# KiCad board ergoducks.kicad_pcb (continued)
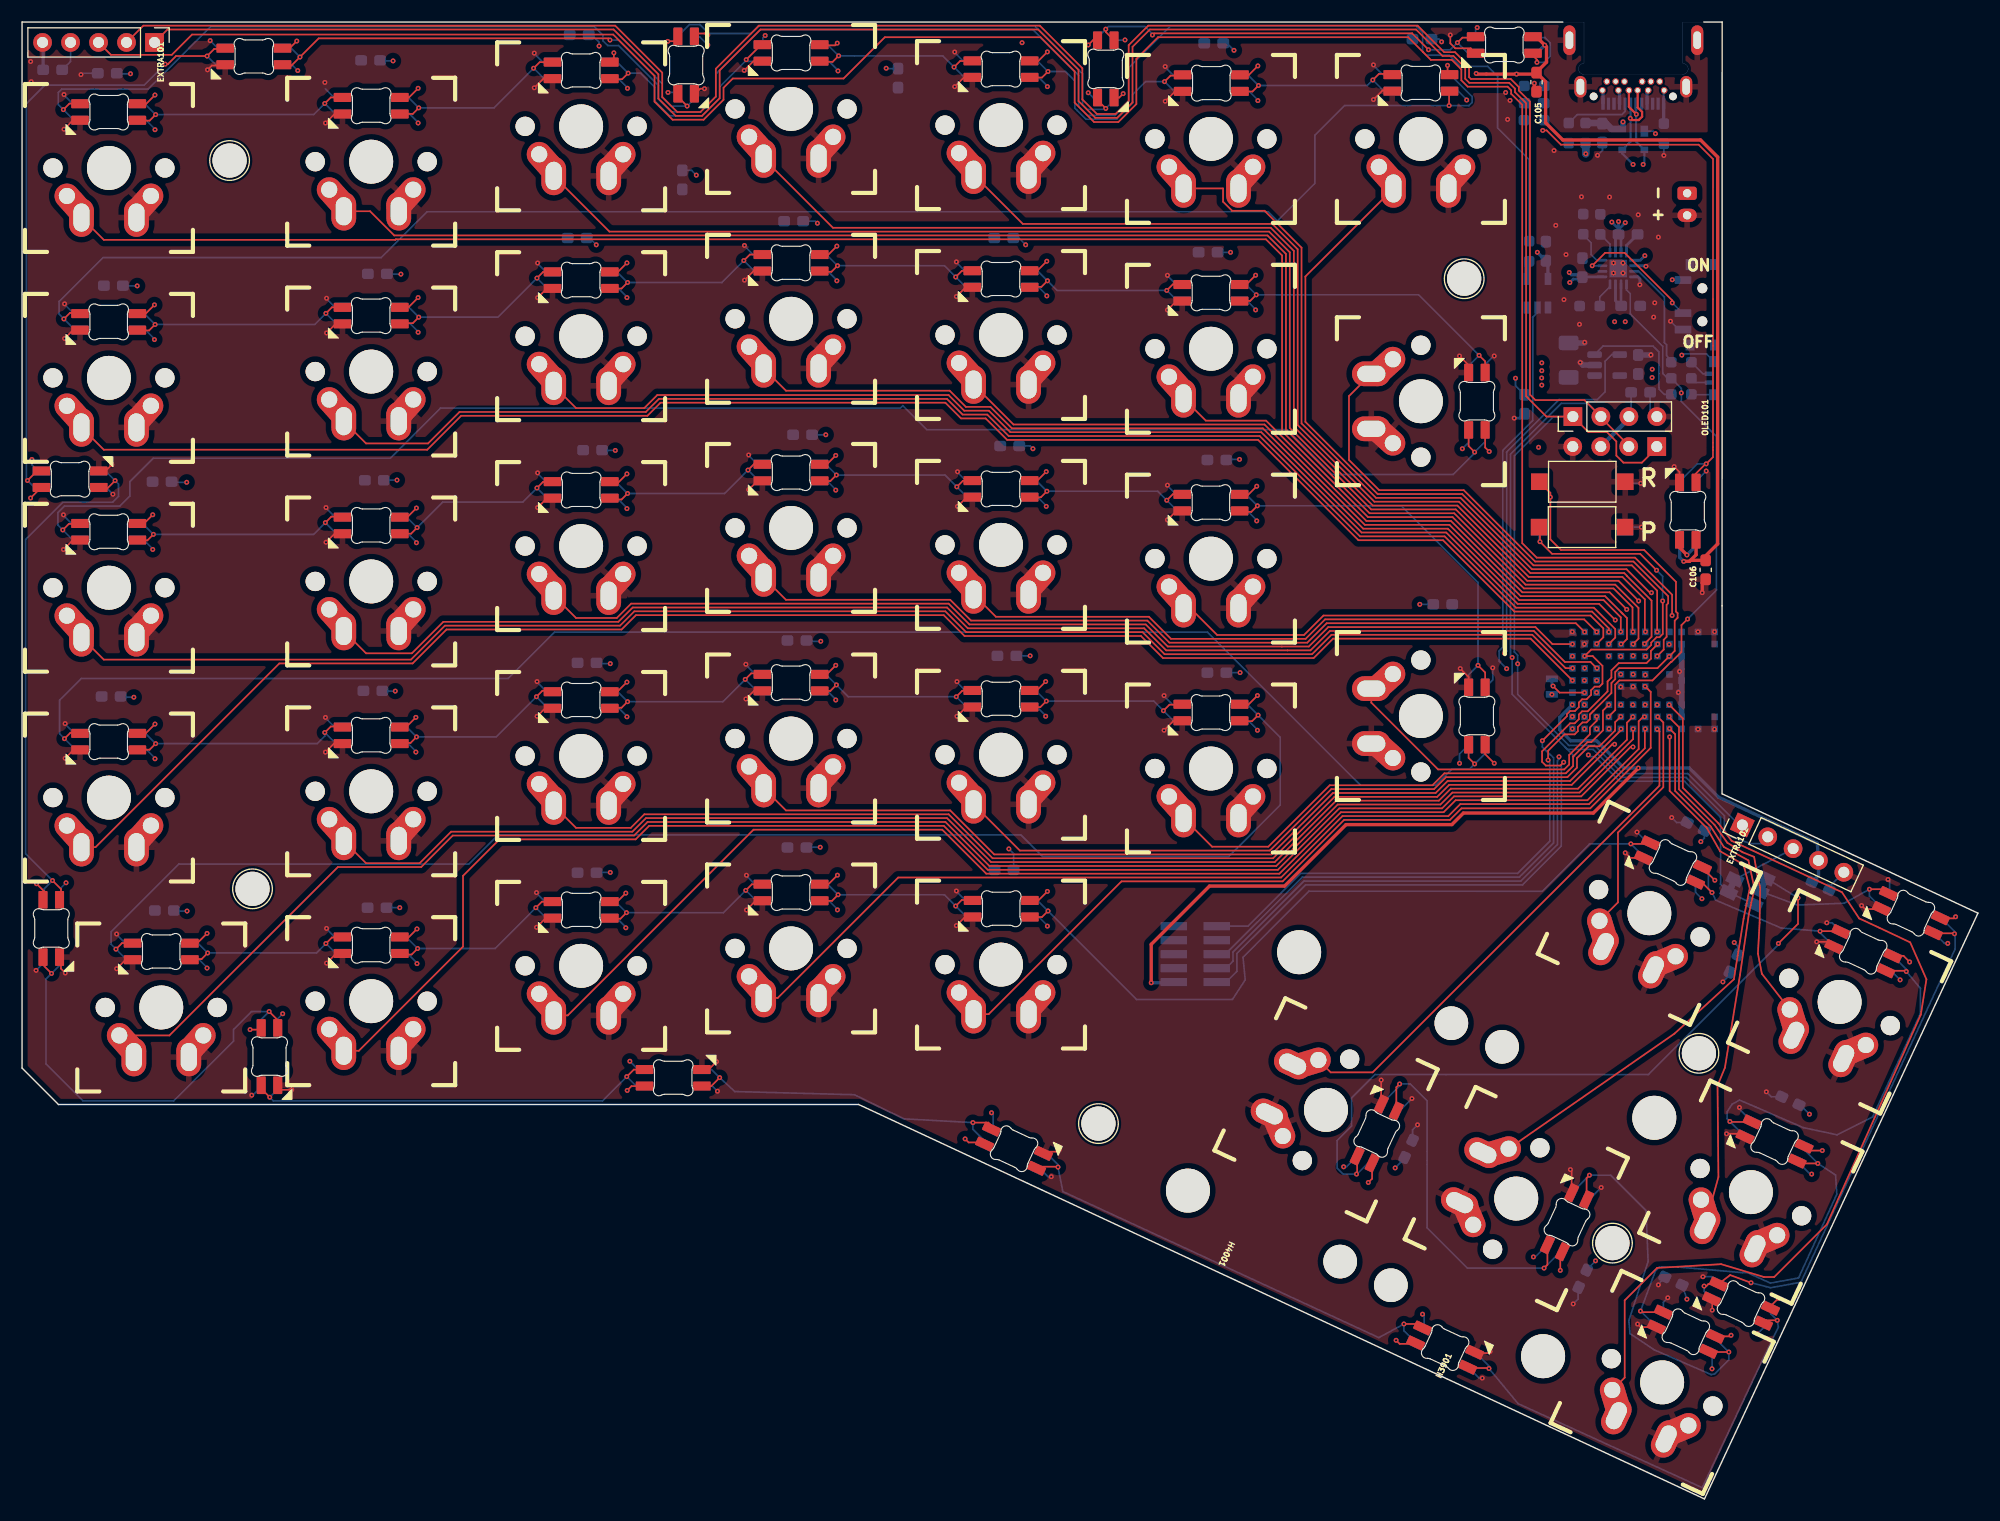
[diagram p0: board, top side]
## Footprints (pads in the part's own frame, mm; a bottom-side part is the same pattern mirrored in y, then rotated)
C_0603_1608Metric_Pad1.08x0.95mm_HandSolder
  rrect 1.075x0.95 smd: 1(-0.863,0) 2(0.863,0)
C_1206_3216Metric_Pad1.33x1.80mm_HandSolder
  rrect 1.325x1.8 smd: 1(-1.562,0) 2(1.562,0)
JAE_DX07B024XJ1
  round 0.7 hole 0.7 unplated: (-3.6,0.01)
  round 0.7 hole 0.95x0.7 unplated: (3.6,0.01)
  rect 0.3x1.1 smd: A2(-2.25,0.67) A3(-1.75,0.67) A10(1.75,0.67) A11(2.25,0.67) CC1(-0.75,0.67) D+(-0.25,0.67) D-(0.25,0.67) GND(-2.75,0.67) GND(2.75,0.67) SBU1(0.75,0.67) VBUS(-1.25,0.67) VBUS(1.25,0.67)
  round 0.6 hole 0.4: B2(2.4,-1.34) B3(1.6,-1.34) B10(-1.6,-1.34) B11(-2.4,-1.34) CC2(0.8,-1.34) D+(0.4,-0.54) D-(-0.4,-0.54) GND(-2.8,-0.54) GND(2.8,-0.54) SBU2(-0.8,-1.34) VBUS(-1.35,-0.54) VBUS(1.35,-0.54)
  oval 1.1x2.7 hole 0.7x1.6: SHLD(-5.8,-5.09) SHLD(5.8,-5.09)
  oval 1.1x1.95 hole 0.7x1.45: SHLD(-4.8,-0.865) SHLD(4.8,-0.865)
JST_PH_B2B-PH-K_1x02_P2.00mm_Vertical
  rrect 1.2x1.75 hole 0.75: 1(0,0)
  oval 1.2x1.75 hole 0.75: 2(2,0)
keyboard_switch_reversible-1.5u
  round 1.75 hole 1.75 unplated: (-5.08,0) (5.08,0)
  round 3.98 hole 3.98 unplated: (0,0)
  oval 2.25x3.5 hole 1.47x2.56: 1(2.5,-4.5) 2(-2.49,-4.5)
  oval 4.212x2.25 hole 1.47 rot 48.1: 1(3.81,-2.54)
  oval 4.212x2.25 hole 1.47 rot 131.9: 2(-3.81,-2.54)
keyboard_switch_reversible-1u
  round 1.75 hole 1.75 unplated: (-5.08,0) (5.08,0)
  round 3.98 hole 3.98 unplated: (0,0)
  oval 2.25x3.5 hole 1.47x2.56: 1(2.5,-4.5) 2(-2.49,-4.5)
  oval 4.212x2.25 hole 1.47 rot 48.1: 1(3.81,-2.54)
  oval 4.212x2.25 hole 1.47 rot 131.9: 2(-3.81,-2.54)
keyboard_switch_reversible-2u
  round 1.75 hole 1.75 unplated: (-5.08,0) (5.08,0)
  round 3.98 hole 3.98 unplated: (0,0)
  oval 2.25x3.5 hole 1.47x2.56: 1(2.5,-4.5) 2(-2.49,-4.5)
  oval 4.212x2.25 hole 1.47 rot 48.1: 1(3.81,-2.54)
  oval 4.212x2.25 hole 1.47 rot 131.9: 2(-3.81,-2.54)
keyboard_switch_support-2u
  round 3.048 hole 3.048 unplated: (-11.938,6.985) (11.938,6.985)
  round 3.988 hole 3.988 unplated: (-11.938,-8.255) (11.938,-8.255)
LED_Kingbright_APFA3010_3x1.5mm_Horizontal
  rect 1x0.9 smd: 1(-1.5,0) 2(1.5,0)
  rect 0.4x0.8 smd: 3(0.4,-0.45) 4(-0.4,-0.45)
mounting_hole
  round 3.1 hole 3.1 unplated: (0,0)
PinHeader_1x04_P2.54mm_Vertical
  rect 1.7x1.7 hole 1: 1(0,0)
  oval 1.7x1.7 hole 1: 2(0,-2.54) 3(0,-5.08) 4(0,-7.62)
PinHeader_1x05_P2.54mm_Vertical
  rect 1.7x1.7 hole 1: 1(0,0)
  oval 1.7x1.7 hole 1: 2(0,-2.54) 3(0,-5.08) 4(0,-7.62) 5(0,-10.16)
PinHeader_2x05_P1.27mm_Vertical_SMD
  rect 2.4x0.74 smd: 1(-1.95,2.54) 2(1.95,2.54) 3(-1.95,1.27) 4(1.95,1.27) 5(-1.95,0) 6(1.95,0) 7(-1.95,-1.27) 8(1.95,-1.27) 9(-1.95,-2.54) 10(1.95,-2.54)
R_0603_1608Metric_Pad0.98x0.95mm_HandSolder
  rrect 0.975x0.95 smd: 1(-0.912,0) 2(0.912,0)
SK6812MINI-E-reversible
  rrect 1.6x0.82 smd: 1(2.598,5.83) 2(2.598,4.33) 3(-2.602,4.33) 4(-2.602,5.83)
  rrect 1.6x0.82 smd far side: 1(2.598,4.34) 2(2.598,5.84) 3(-2.602,5.84) 4(-2.602,4.34)
SolderJumper-2_P1.3mm_Bridged_Pad1.0x1.5mm
  rect 1x1.5 smd: 1(-0.65,0) 2(0.65,0)
SolderJumper-3_P1.3mm_Bridged12_Pad1.0x1.5mm
  rect 1x1.5 smd: 1(-1.3,0) 2(0,0) 3(1.3,0)
SOT-23-5
  rect 0.6x1.1 smd: 1(-0.95,-1.3) 2(0,-1.3) 3(0.95,-1.3) 4(0.95,1.3) 5(-0.95,1.3)
SOT-23-5#2
  rrect 1.325x0.6 smd: 1(-1.137,0.95) 2(-1.137,0) 3(-1.137,-0.95) 4(1.137,-0.95) 5(1.137,0.95)
SOT-143
  rect 0.7x1 smd: 1(-1,0.75)
  rect 0.7x0.6 smd: 2(-1,-0.95) 3(1,-0.95) 4(1,0.95)
SW_SPDT_PCM12
  rect 1x0.8 smd: (-3.65,-1.43) (-3.65,0.78) (3.65,-1.43) (3.65,0.78)
  round 0.9 hole 0.9 unplated: (-1.5,-0.33) (1.5,-0.33)
  rect 0.7x1.5 smd: 1(-2.25,1.43) 2(0.75,1.43) 3(2.25,1.43)
SW_SPST_CK_RS282G05A3_reversible
  rect 1.5x1.5 smd: 1(-3.9,0) 2(3.9,0)
  rect 1.5x1.5 smd far side: 1(-3.9,0) 2(3.9,0)
VQFN-16-1EP_3x3mm_P0.5mm_EP1.6x1.6mm
  rrect 0.64x0.64 smd: (-0.4,-0.4) (-0.4,0.4) (0.4,-0.4) (0.4,0.4)
  rrect 0.875x0.25 smd: 1(-1.438,0.75) 2(-1.438,0.25) 3(-1.438,-0.25) 4(-1.438,-0.75) 9(1.438,-0.75) 10(1.438,-0.25) 11(1.438,0.25) 12(1.438,0.75)
  rrect 0.25x0.875 smd: 5(-0.75,-1.438) 6(-0.25,-1.438) 7(0.25,-1.438) 8(0.75,-1.438) 13(0.75,1.438) 14(0.25,1.438) 15(-0.25,1.438) 16(-0.75,1.438)
  rect 1.6x1.6 smd: 17(0,0)
XCVR_NORA-B106-00B
  rect 0.6x0.6 smd: A1(-5.5,-4.4) A2(-5.5,-3.3) A3(-5.5,-2.2) A4(-5.5,-1.1) A5(-5.5,0) A6(-5.5,1.1) A7(-5.5,2.2) A8(-5.5,3.3) A9(-5.5,4.4) B1(-4.4,-4.4) B2(-4.4,-3.3) B3(-4.4,-2.2) B4(-4.4,-1.1) B5(-4.4,0) B6(-4.4,1.1) B7(-4.4,2.2) B8(-4.4,3.3) B9(-4.4,4.4) C1(-3.3,-4.4) C2(-3.3,-3.3) C4(-3.3,-1.1) C5(-3.3,0) C6(-3.3,1.1) C8(-3.3,3.3) C9(-3.3,4.4) D1(-2.2,-4.4) D2(-2.2,-3.3) D3(-2.2,-2.2) D7(-2.2,2.2) D8(-2.2,3.3) D9(-2.2,4.4) E1(-1.1,-4.4) E2(-1.1,-3.3) E3(-1.1,-2.2) E4(-1.1,-0.55) E5(-1.1,0.55) E7(-1.1,2.2) E8(-1.1,3.3) E9(-1.1,4.4) F1(0,-4.4) F2(0,-3.3) F3(0,-2.2) F4(0,-0.55) F5(0,0.55) F7(0,2.2) F8(0,3.3) F9(0,4.4) G1(1.1,-4.4) G2(1.1,-3.3) G3(1.1,-2.2) G4(1.1,-0.55) G5(1.1,0.55) G7(1.1,2.2) G8(1.1,3.3) G9(1.1,4.4) H1(2.2,-4.4) H2(2.2,-3.3) H3(2.2,-2.2) H7(2.2,2.2) H8(2.2,3.3) H9(2.2,4.4) J1(3.3,-4.4) J2(3.3,-3.3) J3(3.3,-2.2) J4(3.3,-0.55) J5(3.3,0.55) J7(3.3,2.2) J8(3.3,3.3) J9(3.3,4.4) K1(4.4,-4.4) K2(4.4,-3.3) K3(4.4,-2.2) K5(4.4,0) K7(4.4,2.2) K8(4.4,3.3) K9(4.4,4.4) L1(5.9,-4.4) L9(5.9,4.4) M1(7.4,-4.4) M2(7.4,-3.3) M8(7.4,3.3) M9(7.4,4.4)
XTAL_ECS-.327-9-12R-TR
  rect 0.6x1.1 smd: 1(-0.7,0) 2(0.7,0)

## Nets
+3V3: C102.1 C103.1 C104.1 EXTRA101.4 EXTRA102.4 J101.1 OLED101.3 OLED102.3 U101.A7 U101.B7
GND: BT201.2 C101.2 C102.2 C103.2 C104.2 C105.2 C106.2 C201.2 C202.2 C203.2 C204.2 C205.2 C206.2 C208.2 C301.2 C401.2 C501.2 C601.2 C701.2 C801.2 C901.2 C1001.2 C1101.2 C1201.2 C1301.2 C1401.2 C1501.2 C1601.2 C1701.2 C1801.2 C1901.2 C2001.2 C2101.2 C2201.2 C2301.2 C2401.2 C2501.2 C2601.2 C2701.2 C2801.2 C2901.2 C3001.2 C3101.2 C3201.2 C3301.2 C3401.2 C3501.2 C3601.2 C3701.2 C3801.2 C3901.2 C4001.2 D101.3 D102.3 D103.3 D104.3 D105.3 D106.3 D107.3 D108.3 D109.3 D110.3 D111.3 D112.3 D113.3 D202.1 D301.3 D401.3 D501.3 D601.3 D701.3 D801.3 D901.3 D1001.3 D1101.3 D1201.3 D1301.3 D1401.3 D1501.3 D1601.3 D1701.3 D1801.3 D1901.3 D2001.3 D2101.3 D2201.3 D2301.3 D2401.3 D2501.3 D2601.3 D2701.3 D2801.3 D2901.3 D3001.3 D3101.3 D3201.3 D3301.3 D3401.3 D3501.3 D3601.3 D3701.3 D3801.3 D3901.3 D4001.3 EXTRA101.5 EXTRA102.5 FB201.1 FB202.1 J101.3 J101.5 J101.9 OLED101.4 OLED102.4 R201.1 R202.1 R207.1 R208.1 R209.1 SW201.3 SW301.1 SW401.1 SW501.1 SW601.1 SW701.1 SW801.1 SW901.1 SW1001.1 SW1101.1 SW1201.1 SW1301.1 SW1401.1 SW1501.1 SW1601.1 SW1701.1 SW1801.1 SW1901.1 SW2001.1 SW2101.1 SW2201.1 SW2301.1 SW2401.1 SW2501.1 SW2601.1 SW2701.1 SW2801.1 SW2901.1 SW3001.1 SW3101.1 SW3201.1 SW3301.1 SW3401.1 SW3501.1 SW3601.1 SW3701.1 SW3801.1 SW3901.1 SW4001.1 SW_PAIR101.1 SW_RESET101.2 U101.A1 U101.A9 U101.B2 U101.B8 U101.E4 U101.E5 U101.F4 U101.F5 U101.K2 U101.K3 U101.K5 U101.K7 U101.K8 U101.L1 U101.L9 U101.M1 U101.M2 U101.M8 U101.M9 U102.1 U102.3 U201.4 U201.6 U201.8 U201.17 U202.2
VBUS: C203.1 FB203.2 U101.B9 U201.13
VCC: C204.1 C206.1 D201.2 U101.A8 U201.5 U201.10 U201.11 U202.5
+BATT: BT201.1 C202.1 SW201.1 U201.2 U201.3
+VSW: C101.1 C105.1 C106.1 C205.1 C301.1 C401.1 C501.1 C601.1 C701.1 C801.1 C901.1 C1001.1 C1101.1 C1201.1 C1301.1 C1401.1 C1501.1 C1601.1 C1701.1 C1801.1 C1901.1 C2001.1 C2101.1 C2201.1 C2301.1 C2401.1 C2501.1 C2601.1 C2701.1 C2801.1 C2901.1 C3001.1 C3101.1 C3201.1 C3301.1 C3401.1 C3501.1 C3601.1 C3701.1 C3801.1 C3901.1 C4001.1 D101.1 D102.1 D103.1 D104.1 D105.1 D106.1 D107.1 D108.1 D109.1 D110.1 D111.1 D112.1 D113.1 D301.1 D401.1 D501.1 D601.1 D701.1 D801.1 D901.1 D1001.1 D1101.1 D1201.1 D1301.1 D1401.1 D1501.1 D1601.1 D1701.1 D1801.1 D1901.1 D2001.1 D2101.1 D2201.1 D2301.1 D2401.1 D2501.1 D2601.1 D2701.1 D2801.1 D2901.1 D3001.1 D3101.1 D3201.1 D3301.1 D3401.1 D3501.1 D3601.1 D3701.1 D3801.1 D3901.1 D4001.1 U102.5 U202.1
/BACKLIGHT_DATA: U101.C5 U102.2
/BACKLIGHT_EN: U101.B5 U202.4
/BACKLIGHT_STATE: R203.2 U202.3
/CHARGE_STATE: R205.2 U101.D8 U201.9
/EXTRA_INT1: EXTRA101.3 U101.E7
/EXTRA_INT2: EXTRA102.3 JP102.2
/PAIR/SWO: J101.6 SW_PAIR101.2 U101.B3
/power/SYSOFF: SW201.2 U201.15
/POWER_STATE: R204.2 U201.7
/RESET: J101.10 SW_RESET101.1 U101.J3
/SW01: SW301.2 U101.F1
/SW02: SW401.2 U101.F2
/SW03: SW501.2 U101.F3
/SW04: SW601.2 U101.G1
/SW05: SW701.2 U101.G2
/SW06: SW801.2 U101.G3
/SW07: SW901.2 U101.H1
/SW08: SW1001.2 U101.D1
/SW09: SW1101.2 U101.D2
/SW10: SW1201.2 U101.D3
/SW11: SW1301.2 U101.E1
/SW12: SW1401.2 U101.E2
/SW13: SW1501.2 U101.E3
/SW14: SW1601.2 U101.H3
/SW15: SW1701.2 U101.A4
/SW16: SW1801.2 U101.C4
/SW17: SW1901.2 U101.A2
/SW18: SW2001.2 U101.B1
/SW19: SW2101.2 U101.C1
/SW20: SW2201.2 U101.C2
/SW21: SW2301.2 U101.C8
/SW22: SW2401.2 U101.A5
/SW23: SW2501.2 U101.F8
/SW24: SW2601.2 U101.F7
/SW25: SW2701.2 U101.E9
/SW26: SW2801.2 U101.E8
/SW27: SW2901.2 U101.D7
/SW28: SW3001.2 U101.F9
/SW29: SW3101.2 U101.G7
/SW30: SW3201.2 U101.G8
/SW31: SW3301.2 U101.G9
/SW32: SW3401.2 U101.G5
/SW33: SW3501.2 U101.H8
/SW34: SW3601.2 U101.J8
/SW35: SW3701.2 U101.J9
/SW36: SW3801.2 U101.J7
/SW37: SW3901.2 U101.H7
/SW38: SW4001.2 U101.H9
/SWDCLK: J101.4 U101.J2
/SWDIO: J101.2 U101.H2
/switch1/DIN: D301.4 R101.2
/switch1/DOUT: D301.2 D401.4
/switch2/DOUT: D401.2 D501.4
/switch3/DOUT: D501.2 D601.4
/switch4/DOUT: D601.2 D701.4
/switch5/DOUT: D701.2 D801.4
/switch6/DOUT: D801.2 D901.4
/switch7/DOUT: D901.2 D1001.4
/switch8/DOUT: D1001.2 D1101.4
/switch10/DIN: D1101.2 D1201.4
/switch10/DOUT: D1201.2 D1301.4
/switch11/DOUT: D1301.2 D1401.4
/switch12/DOUT: D1401.2 D1501.4
/switch13/DOUT: D1501.2 D1601.4
/switch14/DOUT: D1601.2 D1701.4
/switch15/DOUT: D1701.2 D1801.4
/switch16/DOUT: D1801.2 D1901.4
/switch17/DOUT: D1901.2 D2001.4
/switch18/DOUT: D2001.2 D2101.4
/switch19/DOUT: D2101.2 D2201.4
/switch20/DOUT: D2201.2 D2301.4
/switch21/DOUT: D2301.2 D2401.4
/switch22/DOUT: D2401.2 D2501.4
/switch23/DOUT: D2501.2 D2601.4
/switch24/DOUT: D2601.2 D2701.4
/switch25/DOUT: D2701.2 D2801.4
/switch26/DOUT: D2801.2 D2901.4
/switch27/DOUT: D2901.2 D3001.4
/switch28/DOUT: D3001.2 D3101.4
/switch29/DOUT: D3101.2 D3201.4
/switch30/DOUT: D3201.2 D3301.4
/switch31/DOUT: D3301.2 D3401.4
/switch32/DOUT: D3401.2 D3501.4
/switch33/DOUT: D3501.2 D3601.4
/switch34/DOUT: D3601.2 D3701.4
/switch35/DOUT: D3701.2 D3801.4
/switch36/DOUT: D3801.2 D3901.4
/switch37/DOUT: D3901.2 D4001.4
/switch38/DOUT: D4001.2 JP101.1
/TWI_SCL: EXTRA101.2 EXTRA102.2 OLED101.2 OLED102.2 U101.A3
/TWI_SDA: EXTRA101.1 EXTRA102.1 OLED101.1 OLED102.1 U101.B4
/USB_D+: D202.3 J201.D+ U101.C9
/USB_D-: D202.2 J201.D- U101.D9
Net-(C201-Pad1): C201.1 FB201.2 J201.SHLD R201.2
Net-(C208-Pad1): C208.1 D202.4 FB203.1 J201.VBUS
Net-(D101-Pad2): D101.2 D102.4
Net-(D101-Pad4): D101.4 JP101.2
Net-(D102-Pad2): D102.2 D103.4
Net-(D103-Pad2): D103.2 D104.4
Net-(D104-Pad2): D104.2 D105.4
Net-(D105-Pad2): D105.2 D106.4
Net-(D106-Pad2): D106.2 D107.4
Net-(D107-Pad2): D107.2 D108.4
Net-(D108-Pad2): D108.2 D109.4
Net-(D109-Pad2): D109.2 D110.4
Net-(D110-Pad2): D110.2 D111.4
Net-(D111-Pad2): D111.2 D112.4
Net-(D112-Pad2): D112.2 D113.4
Net-(D201-Pad1): D201.1 R203.1
Net-(D201-Pad3): D201.3 R204.1
Net-(D201-Pad4): D201.4 R205.1
Net-(FB202-Pad2): FB202.2 J201.GND
Net-(J201-PadCC1): J201.CC1 R202.2
Net-(R101-Pad1): R101.1 U102.4
Net-(R207-Pad2): R207.2 U201.12
Net-(R208-Pad2): R208.2 U201.16
Net-(R209-Pad2): R209.2 U201.1
Net-(U101-PadB6): U101.B6 Y101.1
Net-(U101-PadC6): U101.C6 Y101.2
Net-(U101-PadG4): JP101.3 JP102.1 U101.G4

Pads without a net: D113 2; J101 7 8; J201 A2 A3 A10 A11 B2 B3 B10 B11 CC2 SBU1 SBU2; U101 A6 J1 J4 J5 K1 K9; U201 14

## Via types
v1: diameter 0.45, hole 0.2, Top to Bottom, 518 vias

## Routing (per net, layer and track width the routed paths; a pad name or vN(x,y) marks a point on that pad's centre or on a via; arc(x,y) is an arc through that point)
+3V3: length 268.5
  Top w0.3: v1(146.66,66.34) 142.58,62.26 130.8,62.26 129.74,61.21 120.14,61.21 114.56,55.63 107.75,55.63 102.46,50.34 v1(102.46,46.85)
  In2.Cu w0.5: EXTRA101.4 5.75,133.56 96.56,133.56 97.47,132.65 99.27,132.65 100.18,133.56 130.79,133.56 132.19,132.15 132.19,130.41 133.8,128.81 134.58,128.81 135.77,127.61 135.77,116.12 138.61,113.28 138.61,96.46 137.63,95.48
  Bottom w0.15: C104.1 4.4,130.48 EXTRA101.4 ; C102.1 146.01,98.45 OLED101.3
  Bottom w0.3: 145.81,98.08 OLED101.3 ; C103.1 163.01,56.59 EXTRA102.4 162.9,59.51 153.96,63.7 153.94,63.7 151.29,66.34 v1(146.66,66.34) 145.35,66.34 142.87,68.82 140.53,68.82 139.53,69.82 139.53,70.94 v1(140.68,72.09) ; v1(102.46,46.85) 104.45,46.85 J101.1
  Bottom w0.4: OLED102.3 145.81,98.08
  vias: v1(137.61,95.46) v1(141.77,72.09)
GND: length 245.9
  Top w0.15: v1(63.01,39.69) 62.29,38.97 61.65,38.97 ; v1(153.37,17.14) 153.37,18.11 153.33,18.15 ; v1(84.78,109.14) 85.61,109.97 86.47,109.97 ; v1(162.85,50.57) 163.97,50.57 D3601.3 ; v1(140.5,29.9) 140.61,29.78 D3901.3 ; D4001.3 123.33,35.86 v1(123.33,38.02) ; v1(166.92,53.86) 167.25,53.54 168.84,53.54 ; 67.37,73.44 66.51,73.44 v1(65.68,72.61) ; 86.32,129.02 85.46,129.02 v1(84.63,128.19) ; 29.27,87.67 28.41,87.67 v1(27.58,86.84) ; 131.26,102.06 131.26,102.92 v1(130.44,103.75) ; v1(27.63,105.84) 28.46,106.66 29.32,106.66 ; 10.27,48.96 9.41,48.96 v1(8.58,48.13) ; v1(65.53,129.66) 66.36,130.49 67.22,130.49 ; 67.63,92.44 66.76,92.44 v1(65.94,91.61) ; v1(46.73,71.04) 47.56,71.87 48.42,71.87 ; 48.47,109.86 47.61,109.86 v1(46.78,109.04) ; 6.79,93.16 7.43,93.16 v1(8.15,93.88) ; 61.05,127.52 61.54,128.01 v1(61.92,128.01) ; v1(154.67,33.15) 156.07,33.15 D3701.3 ; v1(65.73,53.46) 66.56,54.29 67.42,54.29 ; v1(103.93,107.92) 104.76,108.75 105.62,108.75 ; 86.47,52.87 85.61,52.87 v1(84.78,52.04) ; 92.84,31.52 93.96,31.52 v1(94.11,31.66) ; v1(46.78,89.99) 47.61,90.81 48.47,90.81 ; v1(3.92,47.74) 3.53,48.13 3.53,49.27 ; v1(99.92,127.56) 99.56,127.2 D111.3 ; 29.32,49.46 28.46,49.46 v1(27.63,48.64) ; 5.55,106.16 4.69,106.16 v1(3.86,105.33) ; D2301.3 131.26,74.61 v1(130.5,75.37) ; v1(16.83,129.72) 17.22,130.11 18.36,130.11 ; 105.62,89.7 104.76,89.7 v1(103.93,88.87) ; v1(84.88,90.09) 85.71,90.92 86.57,90.92 ; v1(145.48,58.65) 145.94,58.19 D3501.3 ; v1(129.6,132.88) 129.6,132.12 130.05,131.67 131.45,131.67 D112.3 ; 5.45,87 4.58,87 v1(3.76,86.18) ; 5.6,68.06 4.74,68.06 v1(3.91,67.23) ; v1(84.83,71.04) 85.66,71.87 86.52,71.87 ; 48.17,128.91 47.31,128.91 v1(46.48,128.09) ; v1(149.91,93.7) 150.4,93.21 D113.3 ; 150.36,92.29 150.36,92.93 ; 29.22,68.62 28.36,68.62 v1(27.53,67.79) ; v1(65.56,110.63) 66.38,111.45 67.24,111.45 ; v1(103.63,69.77) 104.46,70.6 105.32,70.6 ; 23.19,37.38 23.44,37.14 v1(24.47,37.14) ; 29.22,125.71 28.36,125.71 v1(27.53,124.89) ; 105.42,127.7 104.56,127.7 v1(103.73,126.87) ; D3801.3 146.87,15.6 v1(146.59,15.88) ; 48.37,52.71 47.51,52.71 v1(46.68,51.89) ; v1(3.81,124.33) 4.63,125.16 5.5,125.16 ; 131.95,13.24 133.07,13.24 v1(133.22,13.38) ; v1(122.63,127.02) 123.46,127.85 124.32,127.85
  Top w0.3: v1(137.23,128.5) 137.23,127.94 C105.2 ; C106.2 152.46,83.16 v1(152.46,82.26)
  In1.Cu w0.5: 143.93,73.38 143.93,73.15 v1(141.77,70.99) v1(140.68,69.9) ; v1(141.77,77.6) 141.79,77.6 144.54,74.85 v1(145.07,74.85)
  Bottom w0.15: 92.2,30.15 93.1,29.25 v1(93.39,29.25) ; SW_RESET101.2 145.62,92.19 v1(146.88,92.19) ; v1(65.56,113.78) 65.56,113.73 66.37,112.91 67.21,112.91 67.24,112.94 ; D202.1 147.99,124.15 v1(148.22,123.93) ; D111.3 97.18,127.2 v1(96.75,127.64) ; D3901.3 142.18,27.16 v1(143.29,28.27) ; 5.45,88.49 5.42,88.46 4.57,88.46 3.76,89.28 v1(3.76,89.33) ; 61.65,37.48 62.63,37.48 v1(63.1,37.01) ; SW_PAIR101.1 145.46,88.21 v1(146.93,88.21) ; 86.52,73.36 86.49,73.33 85.65,73.33 84.83,74.14 v1(84.83,74.19) ; 6.79,91.67 7.77,91.67 v1(8.24,91.2) ; D2301.3 133.45,74.35 v1(133.45,75.44) ; SW201.3 150.34,106.14 v1(149.58,106.9) ; v1(5.35,129.29) 5.47,129.41 C301.2 ; v1(122.63,130.17) 122.63,130.12 123.44,129.31 124.29,129.31 124.32,129.34 ; v1(84.78,112.29) 84.78,112.24 85.6,111.43 86.44,111.43 86.47,111.46 ; v1(27.63,51.79) 27.63,51.74 28.45,50.92 29.29,50.92 29.32,50.95 ; v1(155.84,35.53) 155.84,35.38 D3701.3 ; 10.27,50.45 10.24,50.42 9.4,50.42 8.58,51.23 v1(8.58,51.28) ; D3601.3 164.25,52.3 v1(163.76,52.3) ; C4001.2 126.18,33.51 v1(126.63,33.96) ; v1(67.43,132.84) 67.22,132.62 67.22,131.98 ; v1(103.73,130.02) 103.73,129.97 104.54,129.16 105.39,129.16 105.42,129.19 ; v1(58.62,127.67) 59.16,127.67 59.31,127.52 59.56,127.52 ; D3501.3 147.51,59.56 v1(146.54,60.53) ; 141.2,19.11 141.2,18.15 v1(140.75,17.7) ; 48.17,130.41 48.14,130.37 47.29,130.37 46.48,131.19 v1(46.48,131.24) ; 29.32,108.15 29.29,108.12 28.45,108.12 27.63,108.94 v1(27.63,108.99) ; v1(133.59,103.75) 133.54,103.75 132.72,102.93 132.72,102.09 132.75,102.06 ; v1(158.28,36.96) 158.73,36.51 C3701.2 ; D113.3 151.91,92.39 v1(152.83,93.3) ; v1(141.79,104.99) 141.79,104.95 141.81,104.93 ; 48.42,73.36 48.39,73.33 47.55,73.33 46.73,74.14 v1(46.73,74.19) ; 105.32,72.09 105.29,72.06 104.44,72.06 103.63,72.87 v1(103.63,72.92) ; v1(46.68,55.04) 46.68,54.99 47.5,54.17 48.34,54.17 48.37,54.2 ; v1(154.34,46.93) 154.96,47.55 C3601.2 ; v1(1.27,47.98) 2.02,48.73 2.02,49.27 ; v1(84.88,93.24) 84.88,93.19 85.7,92.38 86.54,92.38 86.57,92.41 ; v1(3.91,70.38) 3.91,70.33 4.72,69.52 5.57,69.52 5.6,69.55 ; v1(149.69,61.85) 150.14,61.4 C3501.2 ; 131.31,11.87 132.21,10.97 v1(132.5,10.97) ; v1(149.34,18.26) 148.94,17.87 D3801.3 ; 105.62,91.19 105.59,91.16 104.75,91.16 103.93,91.97 v1(103.93,92.02) ; v1(148.48,19.43) 148.48,19.51 149.07,20.1 ; v1(17.07,132.37) 17.82,131.62 18.36,131.62 ; 29.22,70.11 29.19,70.07 28.34,70.07 27.53,70.89 v1(27.53,70.94) ; v1(65.94,94.76) 65.94,94.71 66.75,93.9 67.6,93.9 67.63,93.93 ; v1(132.04,133.56) 131.91,133.42 D112.3 ; C102.2 147.74,98.86 OLED101.4 ; 27.53,127.99 28.34,127.17 29.19,127.17 29.22,127.2 ; D4001.3 124.98,35.21 v1(126.12,36.35) ; v1(65.73,56.61) 65.73,56.56 66.55,55.75 67.39,55.75 67.42,55.78 ; 169.47,54.89 169.47,56.08 v1(169.32,56.23) ; v1(152.52,20.17) 153.31,20.17 153.97,19.52 ; 5.5,126.65 5.47,126.62 4.62,126.62 3.81,127.43 v1(3.81,127.48) ; 48.47,111.35 48.44,111.32 47.6,111.32 46.78,112.14 v1(46.78,112.19) ; 143.42,123.11 143.42,122.42 v1(142.96,121.96) ; 21.68,37.38 20.95,36.65 v1(20.84,36.65) ; 29.27,89.16 29.24,89.12 28.4,89.12 27.58,89.94 v1(27.58,89.99) ; v1(84.78,55.19) 84.78,55.14 85.6,54.33 86.44,54.33 86.47,54.36 ; 86.32,130.51 86.29,130.48 85.44,130.48 84.63,131.29 v1(84.63,131.34) ; v1(65.68,75.76) 65.68,75.71 66.5,74.9 67.34,74.9 67.37,74.93 ; 27.48,128.53 v1(27.48,128.58) ; 131.77,132.65 131.22,132.65 ; C103.2 163.99,55.56 EXTRA102.5 ; v1(3.86,108.48) 3.86,108.43 4.67,107.62 5.52,107.62 5.55,107.65 ; v1(103.93,111.07) 103.93,111.02 104.75,110.21 105.59,110.21 105.62,110.24 ; 48.47,92.3 48.44,92.27 47.6,92.27 46.78,93.09 v1(46.78,93.14) ; FB202.1 v1(148.98,121.95)
  Bottom w0.25: C1601.2 135.93,98.1 v1(135.4,98.1) ; U201.8 146.63,110.93 146.8,110.76 v1(146.8,110.21) ; U201.6 147.31,111.93 v1(147.36,111.89) ; C202.2 145.59,113.78 U201.4
  Bottom w0.3: C104.2 1.92,132.15 EXTRA101.5
  Bottom w0.5: 150.59,75.36 150.59,75.29 v1(150.4,75.11) ; 150.59,75.36 150.59,73.25 ; 150.59,75.36 U101.K2 ; v1(147.8,103.84) 147.8,103.83 C206.2 ; U202.2 141.63,102.92 v1(141.39,103.16) ; v1(150.3,73.2) 150.35,73.25 150.59,73.25 ; U101.K8 150.59,73.25 ; C205.2 141.81,104.93
  vias: v1(0.78,130.47) v1(0.83,128.64) v1(134.62,127.66) v1(134.8,125.22) v1(135.02,126.94) v1(139.01,122.39) v1(139.17,115.6) v1(139.91,108.86) v1(140.1,112.95) v1(140.68,78.71) v1(141.32,106.62) v1(141.5,118.19) v1(144.05,118.17) v1(144.41,112.19) v1(144.41,111.28) v1(145.07,73.71) v1(145.27,112.19) v1(145.27,111.28) v1(146.19,74.85) v1(146.19,73.74) v1(146.65,116.56) v1(148.05,107.27) v1(148.15,108.57) v1(148.48,114.53) v1(152.08,78.71) v1(152.08,69.88) v1(153.58,78.71) v1(153.58,69.88)
VBUS: length 53.7
  In2.Cu w0.25: v1(140.45,110.41) 139.34,109.31 139.34,105.87 139.55,105.65 139.55,95.24 136.26,91.95 136.26,70.3 137.19,69.37 140.43,69.37 140.45,69.35 141.22,69.35 v1(141.77,69.9)
  Bottom w0.15: 141.57,110.72 141.59,110.74 C203.1
  Bottom w0.25: v1(140.45,110.41) 140.75,110.72 141.57,110.72 ; U201.13 141.65,110.93 141.46,111.12
  Bottom w0.3: 141.46,111.12 140.6,111.12 v1(140.4,111.33)
  Bottom w0.7: 141.9,123.06 v1(141.9,122.1)
VCC: length 8.6
  Bottom w0.15: v1(150.61,103.82) 150.72,103.93 152.84,103.93 D201.2
  Bottom w0.25: U201.5 146.84,112.43 v1(147.25,112.85) ; U201.11 144.59,108.76 145.1,108.25 145.09,108.26 U201.10
  vias: v1(140.68,71.02) v1(144.51,106.86) v1(145.48,106.86) v1(147.92,102.54) v1(147.91,101.79)
+BATT: length 8.4
  Bottom w0.15: SW201.1 149.77,110.64 v1(149.74,110.67)
  Bottom w0.25: v1(145.48,115.85) 144.87,115.24 C202.1 ; C202.1 145.09,114.56 U201.3 ; C202.1 144.87,115.29 v1(144.26,115.9) ; C202.1 144.87,115.95 v1(144.87,115.95) ; C202.1 144.59,114.51 U201.2
+VSW: length 310.8
  Top w0.15: v1(54.89,93.04) 54.06,92.22 53.2,92.22 ; 23.56,131.61 24.21,131.61 v1(24.93,132.33) ; v1(112.04,91.93) 111.21,91.1 110.35,91.1 ; v1(54.79,54.99) 53.96,54.17 53.1,54.17 ; v1(159.37,18.21) 158.65,17.49 D102.1 ; 34.1,89.12 34.96,89.12 v1(35.79,89.95) ; D3901.1 139.58,22.26 v1(139.58,20.75) ; v1(54.89,112.2) 54.06,111.37 53.2,111.37 ; D111.1 97.18,132.4 v1(96.75,131.98) ; 10.32,107.56 11.19,107.56 v1(12.01,108.39) ; v1(155.08,14.86) 154.98,14.76 D3801.1 ; 1.59,91.66 1.58,91.66 v1(0.77,90.85) ; 91.35,130.52 92.21,130.52 v1(93.04,131.35) ; v1(20.69,42.6) 21.68,42.6 21.69,42.58 ; 87.49,32.36 85.9,32.36 v1(85.57,32.68) ; 110.45,129.25 111.31,129.25 v1(112.14,130.08) ; 72.3,55.79 73.16,55.79 v1(73.99,56.62) ; v1(73.94,113.72) 73.11,112.89 72.25,112.89 ; 72.15,74.84 73.01,74.84 v1(73.84,75.67) ; 10.37,69.51 11.24,69.51 v1(12.06,70.34) ; D1601.1 132.76,95.44 v1(133.13,95.07) ; 91.3,111.52 92.16,111.52 v1(92.99,112.35) ; v1(92.94,93.25) 92.11,92.42 91.25,92.42 ; v1(111.94,111.08) 111.11,110.25 110.25,110.25 ; 58.69,132.31 59.15,132.31 59.55,132.72 ; D3701.1 162.1,31.62 v1(163.36,31.62) ; 15.1,50.51 15.96,50.51 v1(16.79,51.34) ; 72.35,131.94 73.77,131.94 v1(73.97,132.14) ; v1(92.89,74.2) 92.06,73.37 91.2,73.37 ; 34.25,127.22 35.11,127.22 v1(35.94,128.05) ; D3601.1 170.73,49.3 v1(171.28,48.74) ; 34.15,50.92 35.01,50.92 v1(35.84,51.74) ; 72.15,93.89 73.01,93.89 v1(73.84,94.72) ; D3501.1 152.48,57.28 v1(153.6,56.16) ; 10.17,88.51 11.03,88.51 v1(11.86,89.34) ; 53.2,73.32 54.06,73.32 v1(54.89,74.15) ; v1(53.7,131.26) 53.7,130.82 53.25,130.37 ; v1(133.59,66.78) 132.76,67.6 D2301.1 ; 56.45,37.47 55.3,37.47 v1(54.91,37.08) ; v1(35.94,109.05) 35.11,108.22 34.25,108.22 ; 10.37,126.61 11.24,126.61 v1(12.06,127.44) ; D4001.1 122.51,29.08 v1(122.16,28.73) ; v1(35.74,70.95) 34.91,70.12 34.05,70.12 ; v1(93.04,55.15) 92.21,54.32 91.35,54.32 ; 110.41,72.1 111.27,72.1 v1(112.1,72.92) ; 151.86,87.02 D113.1 ; 129.4,129.3 129.35,129.35 v1(129.35,130.13) ; v1(1.31,55.84) 2.03,55.12 2.03,54.47 ; v1(175.46,52.84) 175.31,52.7 174.19,52.7 ; v1(124.68,14.4) 125.01,14.08 126.6,14.08 ; 137.08,132.76 136.97,132.64
  Top w0.3: v1(131.95,129.39) 132.01,129.33 v1(135.61,129.33) 137.24,129.33 138.33,130.42 138.33,131.8 137.41,132.72 D112.1 ; C105.1 138.25,128.64 138.25,124.92 139.81,123.35 152.31,123.35 153.87,121.8 153.86,86.7 153.86,86.69 152.6,85.43 ; v1(150.79,85.1) 150.8,85.11 151.31,85.11 ; C106.1 151.4,85.2 151.31,85.11 ; 151.31,85.11 151.9,85.7 D113.1
  Bottom w0.15: v1(93.04,128.2) 93.04,128.25 92.23,129.06 91.38,129.06 91.35,129.03 ; v1(12.01,105.24) 12.01,105.29 11.2,106.1 10.35,106.1 10.32,106.07 ; v1(92.94,90.1) 92.94,90.15 92.12,90.96 91.28,90.96 91.25,90.93 ; v1(11.86,86.19) 11.86,86.24 11.05,87.05 10.2,87.05 10.17,87.02 ; 72.15,92.4 72.18,92.43 73.02,92.43 73.84,91.62 v1(73.84,91.57) ; v1(170.42,47.12) 169.59,47.95 D3601.1 ; v1(72.17,115.8) 71.99,115.98 C1301.1 ; 32.42,130.53 v1(33.67,130.53) ; 13.7,92.28 v1(14.94,92.28) ; 52.13,56.87 v1(53.38,56.87) ; v1(135.52,101.73) 135.52,101.04 C1601.1 ; v1(16.79,48.19) 16.79,48.24 15.98,49.05 15.13,49.05 15.1,49.02 ; v1(35.74,67.8) 35.74,67.85 34.92,68.66 34.08,68.66 34.05,68.63 ; v1(130.69,95.33) 131.27,95.91 D1601.1 ; 71.18,59.16 v1(72.43,59.16) ; v1(12.06,67.19) 12.06,67.24 11.25,68.05 10.4,68.05 10.37,68.02 ; C3601.1 155.69,50.19 v1(155.37,50.51) ; 33.03,53.67 v1(34.28,53.67) ; v1(54.89,71) 54.89,71.05 54.08,71.86 53.23,71.86 53.2,71.83 ; 109.23,94.36 v1(110.48,94.36) ; v1(73.99,53.47) 73.99,53.52 73.18,54.33 72.33,54.33 72.3,54.3 ; D3501.1 151.85,55.07 v1(152.44,54.48) ; 53.1,52.68 53.13,52.71 53.97,52.71 54.79,51.9 v1(54.79,51.85) ; v1(92.99,109.2) 92.99,109.25 92.18,110.06 91.33,110.06 91.3,110.03 ; v1(152.33,59.66) 152.66,59.99 C3501.1 152.75,60.67 ; 128.08,81.2 v1(126.83,81.2) ; v1(162.19,34.92) 161.34,35.78 C3701.1 ; v1(52.11,113.84) 51.49,114.45 C1201.1 ; 110.35,89.61 110.38,89.64 111.23,89.64 112.04,88.83 v1(112.04,88.78) ; D111.1 100.06,132.4 v1(100.08,132.43) ; v1(89.55,59) 89.98,58.57 C3401.1 ; v1(62.22,131.98) 61.49,132.72 61.06,132.72 ; v1(54.89,89.89) 54.89,89.95 54.08,90.76 53.23,90.76 53.2,90.73 ; v1(25.02,129.65) 24.55,130.12 23.56,130.12 ; 110.41,70.61 110.44,70.64 111.29,70.64 112.1,69.82 v1(112.1,69.77) ; 129.4,127.81 129.43,127.84 130.28,127.84 131.09,127.03 v1(131.09,126.98) ; C1401.1 90.46,114.45 v1(91.07,113.84) ; v1(78.41,129.86) 78.45,129.83 C701.1 ; C2901.1 v1(110.53,75.01) ; D3701.1 162.26,29.49 v1(162.39,29.49) ; v1(35.84,48.59) 35.84,48.64 35.03,49.46 34.18,49.46 34.15,49.43 ; C601.1 60.75,120.59 v1(61.18,120.16) ; v1(35.94,124.9) 35.94,124.95 35.13,125.76 34.28,125.76 34.25,125.73 ; v1(119.92,30.15) 120.18,30.15 D4001.1 ; C4001.1 125.45,30.9 v1(124.6,30.05) ; 23.18,42.58 23.18,43.57 v1(23.65,44.04) ; v1(93.04,52) 93.04,52.05 92.23,52.86 91.38,52.86 91.35,52.83 ; v1(55.15,39.73) 55.9,38.98 56.45,38.98 ; v1(127.08,16.77) 127.23,16.62 127.23,15.43 ; v1(73.94,110.57) 73.94,110.62 73.13,111.43 72.28,111.43 72.25,111.4 ; 13.73,53.37 v1(14.97,53.37) ; C901.1 128.56,132.51 v1(128.81,132.26) ; v1(87.97,35.05) 88.12,34.9 88.12,33.71 ; C2801.1 v1(91.48,76.53) ; 173.55,51.33 174.45,50.43 v1(174.74,50.43) ; 32.78,92.48 v1(34.02,92.48) ; 110.45,127.76 110.48,127.79 111.33,127.79 112.14,126.98 v1(112.14,126.93) ; 141.93,20.67 141.93,20.76 v1(142.78,21.62) ; v1(35.94,105.9) 35.94,105.95 35.13,106.76 34.28,106.76 34.25,106.73 ; 158.04,15.96 158.04,15.56 v1(157.47,14.99) ; 3.52,54.47 3.52,55.46 v1(3.99,55.93) ; D3901.1 137.31,21.97 v1(137.15,21.97) ; 108.42,113.16 v1(109.66,113.16) ; v1(92.89,71.05) 92.89,71.1 92.07,71.91 91.23,71.91 91.2,71.88 ; v1(109.97,131.49) 109.31,132.16 109.03,132.16 ; 51.42,133.17 52.36,132.23 v1(52.36,131.88) ; v1(130.44,66.78) 130.44,67.63 D2301.1 ; 71.23,77.85 v1(72.48,77.85) ; 32.62,73.33 v1(33.87,73.33) ; v1(54.94,128.05) 54.94,128.1 54.13,128.91 53.28,128.91 53.25,128.88 ; v1(153.35,11.81) 153.35,13.08 D3801.1 ; C3801.1 v1(151.07,18.13) ; 72.15,73.35 72.18,73.38 73.02,73.38 73.84,72.57 v1(73.84,72.52) ; v1(0.89,94.35) 0.89,93.86 1.59,93.17 ; v1(91.73,95.33) 91.48,95.58 C2101.1 ; 10.37,125.12 10.4,125.15 11.25,125.15 12.06,124.34 v1(12.06,124.29) ; 34.1,87.63 34.13,87.66 34.97,87.66 35.79,86.85 v1(35.79,86.8) ; v1(54.89,109.05) 54.89,109.1 54.08,109.91 53.23,109.91 53.2,109.88 ; v1(111.94,107.93) 111.94,107.98 111.12,108.79 110.28,108.79 110.25,108.76 ; v1(74.04,129.62) 74.04,129.67 73.23,130.48 72.38,130.48 72.35,130.45 ; 8.9,72.77 v1(10.15,72.77) ; 9.2,110.11 v1(10.45,110.11) ; 33.13,111.18 v1(34.38,111.18) ; 52.59,95.17 v1(53.83,95.17) ; 52.13,75.82 v1(53.38,75.82) ; C2001.1 v1(72.93,96.6) ; 8.6,129.36 v1(9.84,129.36)
  Bottom w0.3: D112.1 137.44,131.23 v1(138.17,131.96) ; v1(137.5,113.16) 138.27,112.39 C101.1 138.47,112.21 U102.5 ; v1(150.79,85.1) 150.41,85.48 D113.1
  vias: v1(58.59,132.3) v1(90.74,132.18) v1(137.9,103.12) v1(137.9,102.41) v1(137.89,101.75) v1(137.9,101.1)
/BACKLIGHT_DATA: length 44.1
  In1.Cu w0.15: v1(134.72,75.36) 134.95,75.36 135.36,74.95 136.07,74.95 136.32,75.21 139.57,75.21 140.19,74.59 140.19,74.09 140.48,73.79 142.39,73.79 v1(142.89,74.3)
  Bottom w0.15: U102.2 137.52,107.7 137.08,107.26 137.08,97.89 134.37,95.17 134.37,77.26 134.32,77.26 134.03,76.97 134.03,76.05 v1(134.72,75.36)
/BACKLIGHT_EN: length 42.6
  In1.Cu w0.15: v1(134.53,76.76) 134.53,76.29 135.51,75.3 135.92,75.3 136.18,75.56 139.71,75.56 140.48,74.79 141.27,74.79 v1(141.77,74.3)
  Bottom w0.15: U202.4 144.25,103.87 143.64,103.26 143.64,100.49 142.94,99.79 139.48,99.79 134.72,95.03 134.72,76.95 v1(134.53,76.76)
/BACKLIGHT_STATE: length 11.1
  Bottom w0.15: U202.3 143.47,104.65 148,104.65 148.53,104.11 148.53,100.91 148.55,100.89 148.55,100.74 149.02,100.26 R203.2
/CHARGE_STATE: length 48.7
  Top w0.15: v1(151.13,79.87) 150.58,79.32 150.58,76.89 149.67,75.98 149.63,75.98 147.95,74.3 144.95,74.3 144.57,73.92 144.57,71.61 v1(143.95,70.99)
  Bottom w0.15: U201.9 145.59,109.74 145.93,109.4 145.93,107.56 148.88,104.61 148.88,102.16 149.32,101.72 R205.2 150.56,100.81 v1(150.56,100.39) 150.56,99.63 153.75,96.44 153.75,82.49 v1(151.13,79.87)
/EXTRA_INT1: length 221
  Top w0.15: EXTRA101.3 8.06,131.08 13.59,131.08 15.43,132.92 53.64,132.92 57.39,129.17 57.39,126.83 59.03,125.19 61.84,125.19 63.65,127 63.65,128.09 64.49,128.93 74.54,128.93 78.29,132.68 92.41,132.68 95.51,129.58 95.51,126.74 97.28,124.98 99.48,124.98 101.12,126.62 101.12,130.72 103.08,132.68 125.78,132.68 127.13,131.34 127.13,131.34 127.84,130.63 129.74,130.63 130.61,129.76 130.61,128.77 131.18,128.19 134.8,128.19 135.12,127.87 135.12,127.55 136.13,126.54 136.13,86.76 137.44,85.44 146.37,85.44 149.73,82.08 v1(149.73,80.19)
  In2.Cu w0.15: v1(149.73,80.19) 148.97,79.43 148.97,73.91 148.02,72.97 145.85,72.97 145.07,72.19 v1(145.07,72.09)
/EXTRA_INT2: length 6.3
  Bottom w0.15: 160.42,59.03 EXTRA102.3 JP102.2
/PAIR/SWO: length 84.7
  Top w0.15: v1(148.87,81.51) 148.88,81.5 148.88,78.52 148.58,78.22 148.32,78.22 147.83,77.73 147.83,77.52 147.41,77.1 142.39,77.1 v1(141.79,76.5) 142.53,76.5 143.41,75.62 143.41,74.01 143.14,73.74 142.71,73.74 142.38,73.41 142.38,73 141.97,72.58 141.56,72.58 141.27,72.29 141.27,71.88 140.91,71.52 140.47,71.52 140.18,71.23 140.18,71.05 v1(137.95,68.82) ; SW_PAIR101.2 137.74,88.13 v1(137.74,86.89) 138.84,85.79 146.83,85.79 v1(148.32,84.3)
  Bottom w0.15: v1(137.95,68.82) 137.95,68.25 138.64,67.57 138.68,67.57 138.98,67.27 138.98,59.56 135.86,56.44 116.18,56.44 109.19,49.45 J101.6 ; v1(148.87,81.51) 148.87,83.75 v1(148.32,84.3) ; 137.78,86.89 v1(137.74,86.89) 137.66,86.97 SW_PAIR101.2
/power/SYSOFF: length 12.4
  Top w0.15: v1(142.48,111.94) 143.65,113.11 145.43,113.11 149.74,108.79 v1(149.74,108.57)
  Bottom w0.15: v1(149.74,108.57) 150.64,107.67 151.06,107.67 ; U201.15 142.48,111.93 v1(142.48,111.94)
/POWER_STATE: length 9.9
  Bottom w0.15: U201.7 146.69,111.43 149.03,109.1 149.03,104.96 149.23,104.76 149.23,103.77 149.65,103.35 R204.2
/RESET: length 85.6
  Top w0.15: 142.6,71.53 144.22,73.15 144.22,74.06 144.57,74.41 144.57,75.06 144.92,75.41 148.4,75.41 v1(149.46,76.48) 149.96,76.98 149.96,79.72 150.23,79.99 150.23,80.4 150.08,80.55 150.08,83.25 147.19,86.14 139.65,86.14 138.68,87.1 v1(138.68,90.94) 138.68,91.33 SW_RESET101.1 ; 142.6,71.53 142.3,71.24 ; 142.6,71.53 142.27,71.2 142.27,70.79 141.97,70.48 141.59,70.48 141.18,70.07 141.18,69.69 140.88,69.4 139.96,69.4 138.48,67.91 v1(138.48,67.07)
  Bottom w0.15: J101.10 111.24,51.99 116.03,56.79 135.71,56.79 138.63,59.7 138.63,66.92 v1(138.48,67.07) ; SW_RESET101.1 138.68,91.33 v1(138.68,90.94)
/SW01: length 167.1
  Top w0.15: 146.11,78.78 v1(146.18,78.71) 146.14,78.76 146.14,80.93 144.42,82.64 136.29,82.64 129.81,89.12 122.14,89.12 114.34,96.92 114.34,112.87 112.87,114.34 33.92,114.34 33.87,114.29 7.42,114.29 SW301.2
/SW02: length 145.2
  Top w0.15: SW401.2 31.58,116.88 33.77,114.69 113.01,114.69 114.69,113.01 114.69,97.07 122.28,89.47 129.96,89.47 136.43,82.99 144.56,82.99 146.68,80.88 146.68,78.09 v1(146.19,77.6)
/SW03: length 129
  Top w0.15: SW501.2 53.3,115.04 113.16,115.04 115.04,113.16 115.04,97.21 122.43,89.82 130.1,89.82 136.58,83.34 144.86,83.34 v1(146.7,81.51)
  In2.Cu w0.15: v1(146.19,76.53) 146.7,77.04 v1(146.7,81.51)
/SW04: length 109
  Top w0.15: v1(147.31,78.71) 147.25,78.77 147.25,81.66 145.22,83.69 136.72,83.69 130.25,90.17 122.57,90.17 115.4,97.34 115.4,113.29 113.3,115.39 73.58,115.39 SW601.2
  Bottom w0.15: 147.37,78.77 U101.G1
/SW05: length 91.1
  Top w0.15: SW701.2 90.81,115.74 113.45,115.74 115.75,113.43 115.75,97.48 122.72,90.52 130.39,90.52 136.87,84.04 145.38,84.04 145.65,83.78 145.65,83.76 147.86,81.54 147.86,78.26 v1(147.23,77.62)
/SW06: length 73.7
  Top w0.15: v1(147.85,82.26) 147.72,82.26 145.59,84.39 137.01,84.39 130.53,90.87 122.86,90.87 116.1,97.63 116.1,113.58 112.75,116.93 109.8,116.93 108.98,117.75 108.98,118.95 SW801.2
  In2.Cu w0.15: v1(147.85,82.26) 147.86,82.25 147.86,77.04 v1(147.31,76.48)
